# KiCad board rabbit_mask_capacitors.kicad_pcb (continued)
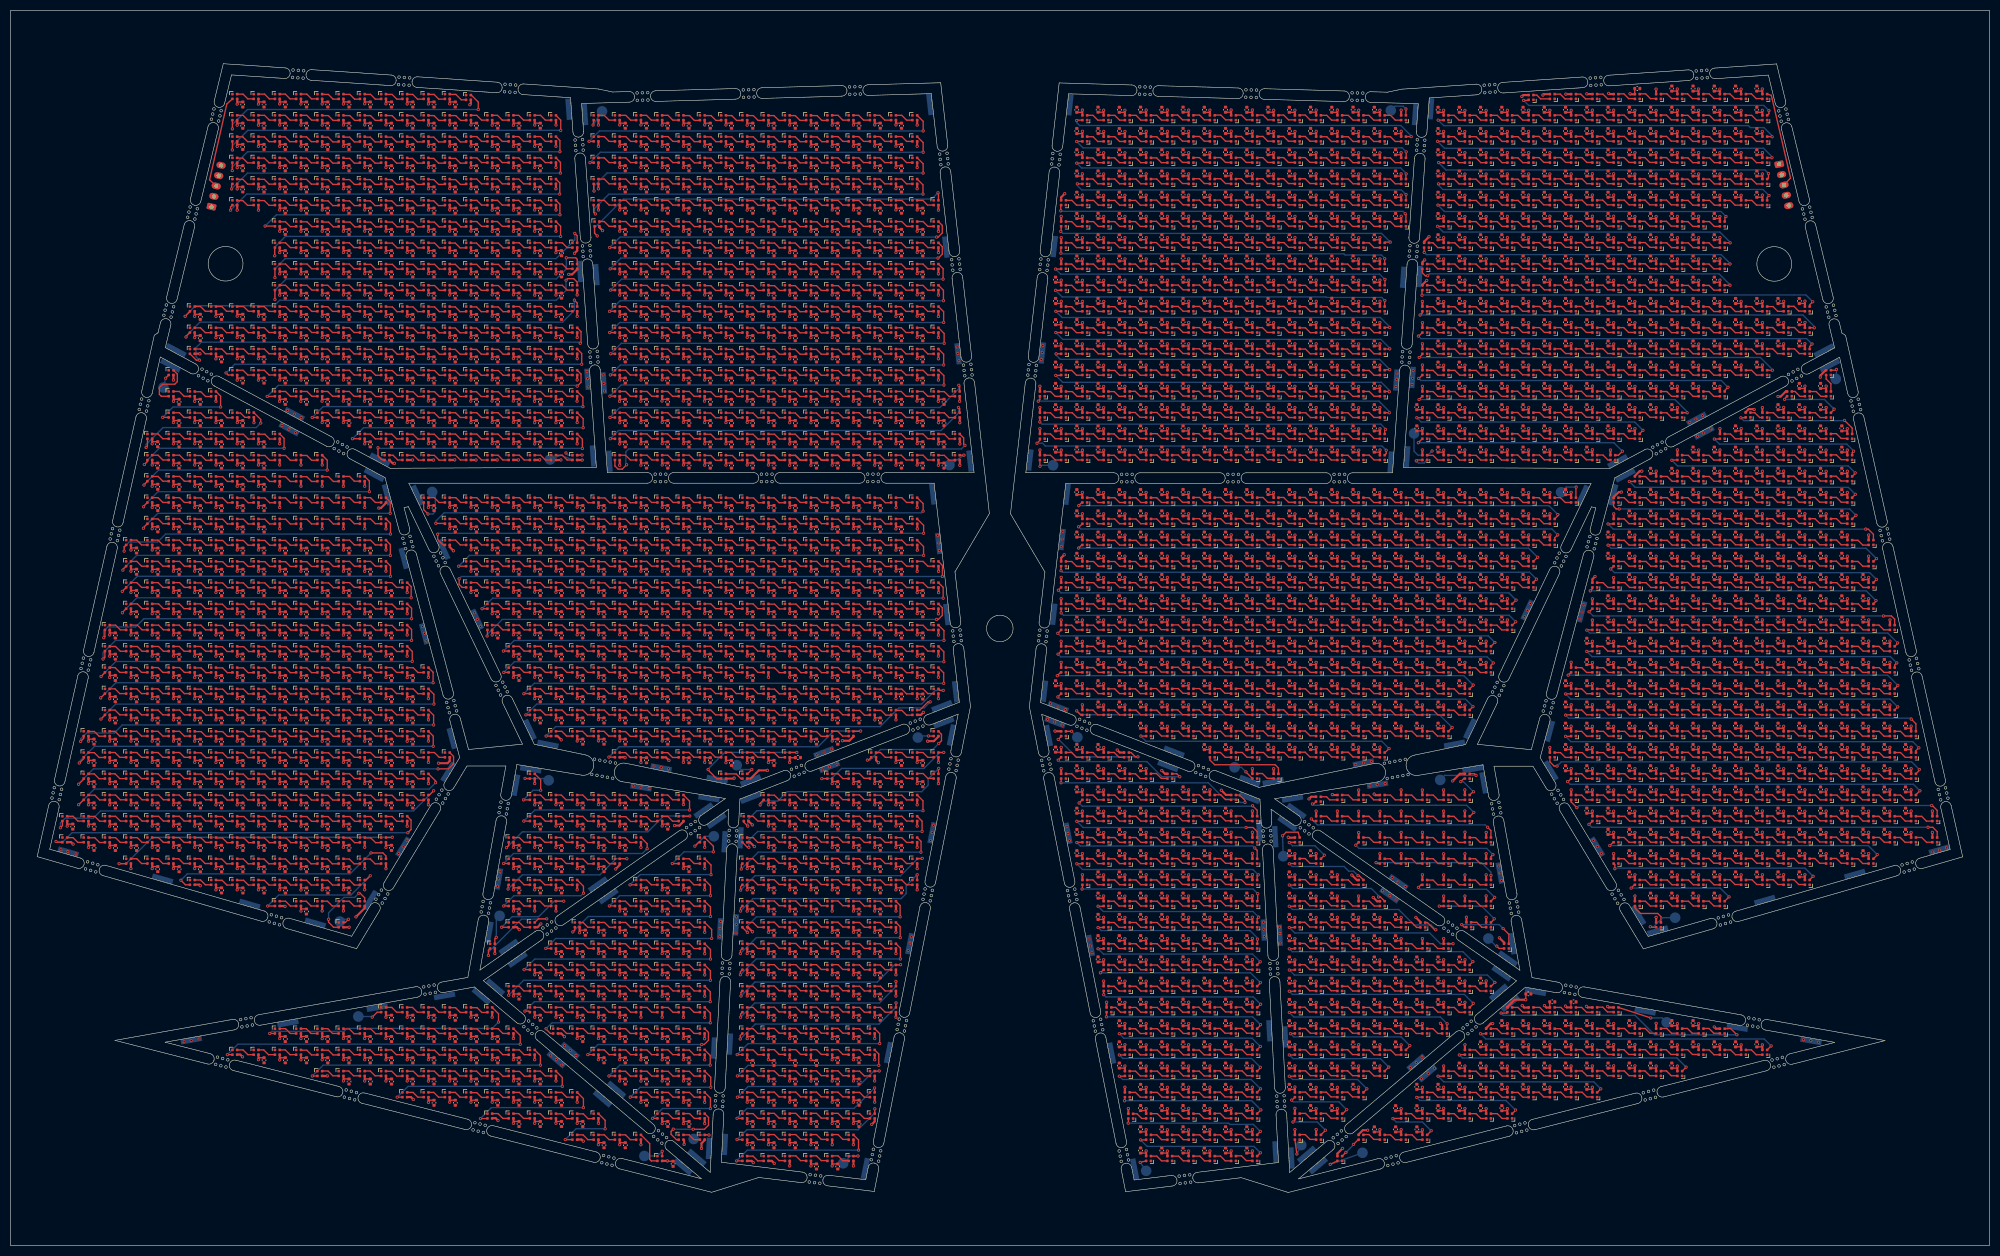
[diagram p0: board, top side]
C1485#1625.1 C1485#1626.1 C1485#1627.1 C1485#1628.1 C1485#1629.1 C1485#1630.1 C1485#1631.1 C1485#1632.1 C1485#1633.1 C1485#1634.1 C1485#1635.1 C1485#1636.1 C1485#1637.1 C1485#1638.1 C1485#1639.1 C1485#1640.1 C1485#1641.1 C1485#1642.1 C1485#1643.1 C1485#1644.1 C1485#1645.1 C1485#1646.1 C1485#1647.1 C1485#1648.1 C1485#1649.1 C1485#1650.1 C1485#1651.1 C1485#1652.1 C1485#1653.1 C1485#1654.1 C1485#1655.1 C1485#1656.1 C1485#1657.1 C1485#1658.1 C1485#1659.1 C1485#1660.1 C1485#1661.1 C1485#1662.1 C1485#1663.1 C1485#1664.1 C1485#1665.1 C1485#1666.1 C1485#1667.1 C1485#1668.1 C1485#1669.1 C1485#1670.1 C1485#1671.1 C1485#1672.1 C1485#1673.1 C1485#1674.1 C1485#1675.1 C1485#1676.1 C1485#1677.1 C1485#1678.1 C1485#1679.1 C1485#1680.1 C1485#1681.1 C1485#1682.1 C1485#1683.1 C1485#1684.1 C1485#1685.1 C1485#1686.1 C1485#1687.1 C1485#1688.1 C1485#1689.1 C1485#1690.1 C1485#1691.1 C1485#1692.1 C1485#1693.1 C1485#1694.1 C1485#1695.1 C1485#1696.1 C1485#1697.1 C1485#1698.1 C1485#1699.1 C1485#1700.1 C1485#1701.1 C1485#1702.1 C1485#1703.1 C1485#1704.1 C1485#1705.1 C1485#1706.1 C1485#1707.1 C1485#1708.1 C1485#1709.1 C1485#1710.1 C1485#1711.1 C1485#1712.1 C1485#1713.1 C1485#1714.1 C1485#1715.1 C1485#1716.1 C1485#1717.1 C1485#1718.1 C1485#1719.1 C1485#1720.1 C1485#1721.1 C1485#1722.1 C1485#1723.1 C1485#1724.1 C1485#1725.1 C1485#1726.1 C1485#1727.1 C1485#1728.1 C1485#1729.1 C1485#1730.1 C1485#1731.1 C1485#1732.1 C1485#1733.1 C1485#1734.1 C1485#1735.1 C1485#1736.1 C1485#1737.1 C1485#1738.1 C1485#1739.1 C1485#1740.1 C1485#1741.1 C1485#1742.1 C1485#1743.1 C1485#1744.1 C1485#1745.1 C1485#1746.1 C1485#1747.1 C1485#1748.1 C1485#1749.1 C1485#1750.1 C1485#1751.1 C1485#1752.1 C1485#1753.1 C1485#1754.1 C1485#1755.1 C1485#1756.1 C1485#1757.1 C1485#1758.1 C1485#1759.1 C1485#1760.1 C1485#1761.1 C1485#1762.1 C1485#1763.1 C1485#1764.1 C1485#1765.1 C1485#1766.1 C1485#1767.1 C1485#1768.1 C1485#1769.1 C1485#1770.1 C1485#1771.1 C1485#1772.1 C1485#1773.1 C1485#1774.1 C1485#1775.1 C1485#1776.1 C1485#1777.1 C1485#1778.1 C1485#1779.1 C1485#1780.1 C1485#1781.1 C1485#1782.1 C1485#1783.1 C1485#1784.1 C1485#1785.1 C1485#1786.1 C1485#1787.1 C1485#1788.1 C1485#1789.1 C1485#1790.1 C1485#1791.1 C1485#1792.1 C1485#1793.1 C1485#1794.1 C1485#1795.1 C1485#1796.1 C1485#1797.1 C1485#1798.1 C1485#1799.1 C1485#1800.1 C1485#1801.1 C1485#1802.1 C1485#1803.1 C1485#1804.1 C1485#1805.1 C1485#1806.1 C1485#1807.1 C1485#1808.1 C1485#1809.1 C1485#1810.1 C1485#1811.1 C1485#1812.1 C1485#1813.1 C1485#1814.1 C1485#1815.1 C1485#1816.1 C1485#1817.1 C1485#1818.1 C1485#1819.1 C1485#1820.1 C1485#1821.1 C1485#1822.1 C1485#1823.1 C1485#1824.1 C1485#1825.1 C1485#1826.1 C1485#1827.1 C1485#1828.1 C1485#1829.1 C1485#1830.1 C1485#1831.1 C1485#1832.1 C1485#1833.1 C1485#1834.1 C1485#1835.1 C1485#1836.1 C1485#1837.1 C1485#1838.1 C1485#1839.1 C1485#1840.1 C1485#1841.1 C1485#1842.1 C1485#1843.1 C1485#1844.1 C1485#1845.1 C1485#1846.1 C1485#1847.1 C1485#1848.1 C1485#1849.1 C1485#1850.1 C1485#1851.1 C1485#1852.1 C1485#1853.1 C1485#1854.1 C1485#1855.1 C1485#1856.1 C1485#1857.1 C1485#1858.1 C1485#1859.1 C1485#1860.1 C1485#1861.1 C1485#1862.1 C1485#1863.1 C1485#1864.1 C1485#1865.1 C1485#1866.1 C1485#1867.1 C1485#1868.1 C1485#1869.1 C1485#1870.1 C1485#1871.1 C1485#1872.1 C1485#1873.1 C1485#1874.1 C1485#1875.1 C1485#1876.1 C1485#1877.1 C1485#1878.1 C1485#1879.1 C1485#1880.1 C1485#1881.1 C1485#1882.1 C1485#1883.1 C1485#1884.1 C1485#1885.1 C1485#1886.1 C1485#1887.1 C1485#1888.1 C1485#1889.1 C1485#1890.1 C1485#1891.1 C1485#1892.1 C1485#1893.1 C1485#1894.1 C1485#1895.1 C1485#1896.1 C1485#1897.1 C1485#1898.1 C1485#1899.1 C1485#1900.1 C1485#1901.1 C1485#1902.1 C1485#1903.1 C1485#1904.1 C1485#1905.1 C1485#1906.1 C1485#1907.1 C1485#1908.1 C1485#1909.1 C1485#1910.1 C1485#1911.1 C1485#1912.1 C1485#1913.1 C1485#1914.1 C1485#1915.1 C1485#1916.1 C1485#1917.1 C1485#1918.1 C1485#1919.1 C1485#1920.1 C1485#1921.1 C1485#1922.1 C1485#1923.1 C1485#1924.1 C1485#1925.1 C1485#1926.1 C1485#1927.1 C1485#1928.1 C1485#1929.1 C1485#1930.1 C1485#1931.1 C1485#1932.1 C1485#1933.1 C1485#1934.1 C1485#1935.1 C1485#1936.1 C1485#1937.1 C1485#1938.1 C1485#1939.1 C1485#1940.1 C1485#1941.1 C1485#1942.1 C1485#1943.1 C1485#1944.1 C1485#1945.1 C1485#1946.1 C1485#1947.1 C1485#1948.1 C1485#1949.1 C1485#1950.1 C1485#1951.1 C1485#1952.1 C1485#1953.1 C1485#1954.1 C1485#1955.1 C1485#1956.1 C1485#1957.1 C1485#1958.1 C1485#1959.1 C1485#1960.1 C1485#1961.1 C1485#1962.1 C1485#1963.1 C1485#1964.1 C1485#1965.1 C1485#1966.1 C1485#1967.1 C1485#1968.1 C1485#1969.1 C1485#1970.1 C1485#1971.1 C1485#1972.1 C1485#1973.1 C1485#1974.1 C1485#1975.1 C1485#1976.1 C1485#1977.1 C1485#1978.1 C1485#1979.1 C1485#1980.1 C1485#1981.1 C1485#1982.1 C1485#1983.1 C1485#1984.1 C1485#1985.1 C1485#1986.1 C1485#1987.1 C1485#1988.1 C1485#1989.1 C1485#1990.1 C1485#1991.1 C1485#1992.1 C1485#1993.1 C1485#1994.1 C1485#1995.1 C1485#1996.1 C1485#1997.1 C1485#1998.1 C1485#1999.1 C1485#2000.1 C1485#2001.1 C1485#2002.1 C1485#2003.1 C1485#2004.1 C1485#2005.1 C1485#2006.1 C1485#2007.1 C1485#2008.1 C1485#2009.1 C1485#2010.1 C1485#2011.1 C1485#2012.1 C1485#2013.1 C1485#2014.1 C1485#2015.1 C1485#2016.1 C1485#2017.1 C1485#2018.1 C1485#2019.1 C1485#2020.1 C1485#2021.1 C1485#2022.1 C1485#2023.1 C1485#2024.1 C1485#2025.1 C1485#2026.1 C1485#2027.1 C1485#2028.1 C1485#2029.1 C1485#2030.1 C1485#2031.1 C1485#2032.1 C1485#2033.1 C1485#2034.1 C1485#2035.1 C1485#2036.1 C1485#2037.1 C1485#2038.1 C1485#2039.1 C1485#2040.1 C1485#2041.1 C1485#2042.1 C1485#2043.1 C1485#2044.1 C1485#2045.1 C1485#2046.1 C1485#2047.1 C1485#2048.1 C1485#2049.1 C1485#2050.1 C1485#2051.1 C1485#2052.1 C1485#2053.1 C1485#2054.1 C1485#2055.1 C1485#2056.1 C1485#2057.1 C1485#2058.1 C1485#2059.1 C1485#2060.1 C1485#2061.1 C1485#2062.1 C1485#2063.1 C1485#2064.1 C1485#2065.1 C1485#2066.1 C1485#2067.1 C1485#2068.1 C1485#2069.1 C1485#2070.1 C1485#2071.1 C1485#2072.1 C1485#2073.1 C1485#2074.1 C1485#2075.1 C1485#2076.1 C1485#2077.1 C1485#2078.1 C1485#2079.1 C1485#2080.1 C1485#2081.1 C1485#2082.1 C1485#2083.1 C1485#2084.1 C1485#2085.1 C1485#2086.1 C1485#2087.1 C1485#2088.1 C1485#2089.1 C1485#2090.1 C1485#2091.1 C1485#2092.1 C1485#2093.1 C1485#2094.1 C1485#2095.1 C1485#2096.1 C1485#2097.1 C1485#2098.1 C1485#2099.1 C1485#2100.1 C1485#2101.1 C1485#2102.1 C1485#2103.1 C1485#2104.1 C1485#2105.1 C1485#2106.1 C1485#2107.1 C1485#2108.1 C1485#2109.1 C1485#2110.1 C1485#2111.1 C1485#2112.1 C1485#2113.1 C1485#2114.1 C1485#2115.1 C1485#2116.1 C1485#2117.1 C1485#2118.1 C1485#2119.1 C1485#2120.1 C1485#2121.1 C1485#2122.1 C1485#2123.1 C1485#2124.1 C1485#2125.1 C1485#2126.1 C1485#2127.1 C1485#2128.1 C1485#2129.1 C1485#2130.1 C1485#2131.1 C1485#2132.1 C1485#2133.1 C1485#2134.1 C1485#2135.1 C1485#2136.1 C1485#2137.1 C1485#2138.1 C1485#2139.1 C1485#2140.1 C1485#2141.1 C1485#2142.1 C1485#2143.1 C1485#2144.1 C1485#2145.1 C1485#2146.1 C1485#2147.1 C1485#2148.1 C1485#2149.1 C1485#2150.1 C1485#2151.1 C1485#2152.1 C1485#2153.1 C1485#2154.1 C1485#2155.1 C1485#2156.1 C1485#2157.1 C1485#2158.1 C1485#2159.1 C1485#2160.1 C1485#2161.1 C1485#2162.1 C1485#2163.1 C1485#2164.1 C1485#2165.1 C1485#2166.1 C1485#2167.1 C1485#2168.1 C1485#2169.1 C1485#2170.1 C1485#2171.1 C1485#2172.1 C1485#2173.1 C1485#2174.1 C1485#2175.1 C1485#2176.1 C1485#2177.1 C1485#2178.1 C1485#2179.1 C1485#2180.1 C1485#2181.1 C1485#2182.1 C1485#2183.1 C1485#2184.1 C1485#2185.1 C1485#2186.1 C1485#2187.1 C1485#2188.1 C1485#2189.1 C1485#2190.1 C1485#2191.1 C1485#2192.1 C1485#2193.1 C1485#2194.1 C1485#2195.1 C1485#2196.1 C1485#2197.1 C1485#2198.1 C1485#2199.1 C1485#2200.1 C1485#2201.1 C1485#2202.1 C1485#2203.1 C1485#2204.1 C1485#2205.1 C1485#2206.1 C1485#2207.1 C1485#2208.1 C1485#2209.1 C1485#2210.1 C1485#2211.1 C1485#2212.1 C1485#2213.1 C1485#2214.1 C1485#2215.1 C1485#2216.1 C1485#2217.1 C1485#2218.1 C1485#2219.1 C1485#2220.1 C1485#2221.1 C1485#2222.1 C1485#2223.1 C1485#2224.1 C1485#2225.1 C1485#2226.1 C1485#2227.1 C1485#2228.1 C1485#2229.1 C1485#2230.1 C1485#2231.1 C1485#2232.1 C1485#2233.1 C1485#2234.1 C1485#2235.1 C1485#2236.1 C1485#2237.1 C1485#2238.1 C1485#2239.1 C1485#2240.1 C1485#2241.1 C1485#2242.1 C1485#2243.1 C1485#2244.1 C1485#2245.1 C1485#2246.1 C1485#2247.1 C1485#2248.1 C1485#2249.1 C1485#2250.1 C1485#2251.1 C1485#2252.1 C1485#2253.1 C1485#2254.1 C1485#2255.1 C1485#2256.1 C1485#2257.1 C1485#2258.1 C1485#2259.1 C1485#2260.1 C1485#2261.1 C1485#2262.1 C1485#2263.1 C1485#2264.1 C1485#2265.1 C1485#2266.1 C1485#2267.1 C1485#2268.1 C1485#2269.1 C1485#2270.1 C1485#2271.1 C1485#2272.1 C1485#2273.1 C1485#2274.1 C1485#2275.1 C1485#2276.1 C1485#2277.1 C1485#2278.1 C1485#2279.1 C1485#2280.1 C1485#2281.1 C1485#2282.1 C1485#2283.1 C1485#2284.1 C1485#2285.1 C1485#2286.1 C1485#2287.1 C1485#2288.1 C1485#2289.1 C1485#2290.1 C1485#2291.1 C1485#2292.1 C1485#2293.1 C1485#2294.1 C1485#2295.1 C1485#2296.1 C1485#2297.1 C1485#2298.1 C1485#2299.1 C1485#2300.1 C1485#2301.1 C1485#2302.1 C1485#2303.1 C1485#2304.1 C1485#2305.1 C1485#2306.1 C1485#2307.1 C1485#2308.1 C1485#2309.1 C1485#2310.1 C1485#2311.1 C1485#2312.1 C1485#2313.1 C1485#2314.1 C1485#2315.1 C1485#2316.1 C1485#2317.1 C1485#2318.1 C1485#2319.1 C1485#2320.1 C1485#2321.1 C1485#2322.1 C1485#2323.1 C1485#2324.1 C1485#2325.1 C1485#2326.1 C1485#2327.1 C1485#2328.1 C1485#2329.1 C1485#2330.1 C1485#2331.1 C1485#2332.1 C1485#2333.1 C1485#2334.1 C1485#2335.1 C1485#2336.1 C1485#2337.1 C1485#2338.1 C1485#2339.1 C1485#2340.1 C1485#2341.1 C1485#2342.1 C1485#2343.1 C1485#2344.1 C1485#2345.1 C1485#2346.1 C1485#2347.1 C1485#2348.1 C1485#2349.1 C1485#2350.1 C1485#2351.1 C1485#2352.1 C1485#2353.1 C1485#2354.1 C1485#2355.1 C1485#2356.1 C1485#2357.1 C1485#2358.1 C1485#2359.1 C1485#2360.1 C1485#2361.1 C1485#2362.1 C1485#2363.1 C1485#2364.1 C1485#2365.1 C1485#2366.1 C1485#2367.1 C1485#2368.1 C1485#2369.1 C1485#2370.1 C1485#2371.1 C1485#2372.1 C1485#2373.1 C1485#2374.1 C1485#2375.1 C1485#2376.1 C1485#2377.1 C1485#2378.1 C1485#2379.1 C1485#2380.1 C1485#2381.1 C1485#2382.1 C1485#2383.1 C1485#2384.1 C1485#2385.1 C1485#2386.1 C1485#2387.1 C1485#2388.1 C1485#2389.1 C1485#2390.1 C1485#2391.1 C1485#2392.1 C1485#2393.1 C1485#2394.1 C1485#2395.1 C1485#2396.1 C1485#2397.1 C1485#2398.1 C1485#2399.1 C1485#2400.1 C1485#2401.1 C1485#2402.1 C1485#2403.1 C1485#2404.1 C1485#2405.1 C1485#2406.1 C1485#2407.1 C1485#2408.1 C1485#2409.1 C1485#2410.1 C1485#2411.1 C1485#2412.1 C1485#2413.1 C1485#2414.1 C1485#2415.1 C1485#2416.1 C1485#2417.1 C1485#2418.1 C1485#2419.1 C1485#2420.1 C1485#2421.1 C1485#2422.1 C1485#2423.1 C1485#2424.1 C1485#2425.1 C1485#2426.1 C1485#2427.1 C1485#2428.1 C1485#2429.1 C1485#2430.1 C1485#2431.1 C1485#2432.1 C1485#2433.1 C1485#2434.1 C1485#2435.1 C1485#2436.1 C1485#2437.1 C1485#2438.1 C1485#2439.1 C1485#2440.1 C1485#2441.1 C1485#2442.1 C1485#2443.1 C1485#2444.1 C1485#2445.1 C1485#2446.1 C1485#2447.1 C1485#2448.1 C1485#2449.1 C1485#2450.1 C1485#2451.1 C1485#2452.1 C1485#2453.1 C1485#2454.1 C1485#2455.1 C1485#2456.1 C1485#2457.1 C1485#2458.1 C1485#2459.1 C1485#2460.1 C1485#2461.1 C1485#2462.1 C1485#2463.1 C1485#2464.1 C1485#2465.1 C1485#2466.1 C1485#2467.1 C1485#2468.1 C1485#2469.1 C1485#2470.1 C1485#2471.1 C1485#2472.1 C1485#2473.1 C1485#2474.1 C1485#2475.1 C1485#2476.1 C1485#2477.1 C1485#2478.1 C1485#2479.1 C1485#2480.1 C1485#2481.1 C1485#2482.1 C1485#2483.1 C1485#2484.1 C1485#2485.1 C1485#2486.1 C1485#2487.1 C1485#2488.1 C1485#2489.1 C1485#2490.1 C1485#2491.1 C1485#2492.1 C1485#2493.1 C1485#2494.1 C1485#2495.1 C1485#2496.1 C1485#2497.1 C1485#2498.1 C1485#2499.1 C1485#2500.1 C1485#2501.1 C1485#2502.1 C1485#2503.1 C1485#2504.1 C1485#2505.1 C1485#2506.1 C1485#2507.1 C1485#2508.1 C1485#2509.1 C1485#2510.1 C1485#2511.1 C1485#2512.1 C1485#2513.1 C1485#2514.1 C1485#2515.1 C1485#2516.1 C1485#2517.1 C1485#2518.1 C1485#2519.1 C1485#2520.1 C1485#2521.1 C1485#2522.1 C1485#2523.1 C1485#2524.1 C1485#2525.1 C1485#2526.1 C1485#2527.1 C1485#2528.1 C1485#2529.1 C1485#2530.1 C1485#2531.1 C1485#2532.1 C1485#2533.1 C1485#2534.1 C1485#2535.1 C1485#2536.1 C1485#2537.1 C1485#2538.1 C1485#2539.1 C1485#2540.1 C1485#2541.1 C1485#2542.1 C1485#2543.1 C1485#2544.1 C1485#2545.1 C1485#2546.1 C1485#2547.1 C1485#2548.1 C1485#2549.1 C1485#2550.1 C1485#2551.1 C1485#2552.1 C1485#2553.1 C1485#2554.1 C1485#2555.1 C1485#2556.1 C1485#2557.1 C1485#2558.1 C1485#2559.1 C1485#2560.1 C1485#2561.1 C1485#2562.1 C1485#2563.1 C1485#2564.1 C1485#2565.1 C1485#2566.1 C1485#2567.1 C1485#2568.1 C1485#2569.1 C1485#2570.1 C1485#2571.1 C1485#2572.1 C1485#2573.1 C1485#2574.1 C1485#2575.1 C1485#2576.1 C1485#2577.1 C1485#2578.1 C1485#2579.1 C1485#2580.1 C1485#2581.1 C1485#2582.1 C1485#2583.1 C1485#2584.1 C1485#2585.1 C1485#2586.1 C1485#2587.1 C1485#2588.1 C1485#2589.1 C1485#2590.1 C1485#2591.1 C1485#2592.1 C1485#2593.1 C1485#2594.1 C1485#2595.1 C1485#2596.1 C1485#2597.1 C1485#2598.1 C1485#2599.1 C1485#2600.1 C1485#2601.1 C1485#2602.1 C1485#2603.1 C1485#2604.1 C1485#2605.1 C1485#2606.1 C1485#2607.1 C1485#2608.1 C1485#2609.1 C1485#2610.1 C1485#2611.1 C1485#2612.1 C1485#2613.1 C1485#2614.1 C1485#2615.1 C1485#2616.1 C1485#2617.1 C1485#2618.1 C1485#2619.1 C1485#2620.1 C1485#2621.1 C1485#2622.1 C1485#2623.1 C1485#2624.1 C1485#2625.1 C1485#2626.1 D1.2 D2.2 D3.2 D4.2 D5.2 D6.2 D7.2 D8.2 D9.2 D10.2 D11.2 D12.2 D13.2 D14.2 D15.2 D16.2 D17.2 D18.2 D19.2 D20.2 D21.2 D22.2 D23.2 D24.2 D25.2 D26.2 D27.2 D28.2 D29.2 D30.2 D31.2 D32.2 D33.2 D34.2 D35.2 D36.2 D37.2 D38.2 D39.2 D40.2 D41.2 D42.2 D43.2 D44.2 D45.2 D46.2 D47.2 D48.2 D49.2 D50.2 D51.2 D52.2 D53.2 D54.2 D55.2 D56.2 D57.2 D58.2 D59.2 D60.2 D61.2 D62.2 D63.2 D64.2 D65.2 D66.2 D67.2 D68.2 D69.2 D70.2 D71.2 D72.2 D73.2 D74.2 D75.2 D76.2 D77.2 D78.2 D79.2 D80.2 D81.2 D82.2 D83.2 D84.2 D85.2 D86.2 D87.2 D88.2 D89.2 D90.2 D91.2 D92.2 D93.2 D94.2 D95.2 D96.2 D97.2 D98.2 D99.2 D100.2 D101.2 D102.2 D103.2 D104.2 D105.2 D106.2 D107.2 D108.2 D110.2 D111.2 D112.2 D113.2 D114.2 D115.2 D116.2 D117.2 D118.2 D119.2 D120.2 D121.2 D122.2 D123.2 D124.2 D125.2 D126.2 D127.2 D128.2 D129.2 D130.2 D131.2 D132.2 D133.2 D134.2 D135.2 D136.2 D137.2 D138.2 D139.2 D140.2 D141.2 D143.2 D144.2 D145.2 D146.2 D147.2 D148.2 D149.2 D150.2 D151.2 D152.2 D153.2 D154.2 D155.2 D156.2 D157.2 D158.2 D159.2 D160.2 D161.2 D162.2 D163.2 D164.2 D165.2 D166.2 D167.2 D168.2 D169.2 D170.2 D171.2 D172.2 D173.2 D174.2 D175.2 D179.2 D180.2 D181.2 D182.2 D183.2 D184.2 D185.2 D186.2 D187.2 D188.2 D189.2 D190.2 D191.2 D192.2 D193.2 D194.2 D195.2 D196.2 D197.2 D198.2 D199.2 D200.2 D201.2 D202.2 D203.2 D204.2 D205.2 D206.2 D207.2 D208.2 D209.2 D210.2 D211.2 D212.2 D213.2 D214.2 D215.2 D216.2 D217.2 D218.2 D219.2 D220.2 D221.2 D222.2 D223.2 D224.2 D225.2 D226.2 D227.2 D228.2 D229.2 D230.2 D231.2 D232.2 D233.2 D234.2 D235.2 D236.2 D237.2 D238.2 D239.2 D240.2 D241.2 D242.2 D243.2 D244.2 D245.2 D246.2 D247.2 D248.2 D249.2 D250.2 D251.2 D252.2 D253.2 D254.2 D255.2 D256.2 D257.2 D258.2 D259.2 D260.2 D261.2 D262.2 D263.2 D264.2 D265.2 D266.2 D267.2 D268.2 D269.2 D270.2 D271.2 D272.2 D273.2 D274.2 D275.2 D276.2 D277.2 D278.2 D279.2 D280.2 D281.2 D282.2 D283.2 D284.2 D285.2 D286.2 D287.2 D288.2 D289.2 D290.2 D291.2 D292.2 D293.2 D294.2 D295.2 D296.2 D297.2 D298.2 D299.2 D300.2 D301.2 D302.2 D303.2 D304.2 D305.2 D306.2 D307.2 D308.2 D309.2 D310.2 D311.2 D312.2 D313.2 D314.2 D315.2 D316.2 D317.2 D318.2 D319.2 D320.2 D321.2 D322.2 D323.2 D324.2 D325.2 D326.2 D327.2 D328.2 D329.2 D330.2 D331.2 D332.2 D333.2 D334.2 D335.2 D336.2 D337.2 D338.2 D339.2 D340.2 D341.2 D342.2 D343.2 D344.2 D345.2 D346.2 D347.2 D348.2 D349.2 D350.2 D351.2 D352.2 D353.2 D354.2 D355.2 D356.2 D357.2 D358.2 D359.2 D360.2 D361.2 D362.2 D363.2 D364.2 D365.2 D366.2 D367.2 D368.2 D369.2 D370.2 D371.2 D372.2 D373.2 D374.2 D375.2 D376.2 D377.2 D378.2 D379.2 D380.2 D381.2 D382.2 D383.2 D384.2 D385.2 D386.2 D387.2 D388.2 D389.2 D390.2 D391.2 D392.2 D393.2 D394.2 D395.2 D396.2 D397.2 D398.2 D399.2 D400.2 D401.2 D402.2 D403.2 D404.2 D405.2 D406.2 D407.2 D408.2 D409.2 D410.2 D411.2 D412.2 D413.2 D414.2 D415.2 D416.2 D417.2 D418.2 D419.2 D420.2 D421.2 D422.2 D423.2 D424.2 D425.2 D426.2 D427.2 D428.2 D429.2 D430.2 D431.2 D432.2 D433.2 D434.2 D435.2 D436.2 D437.2 D438.2 D439.2 D440.2 D441.2 D442.2 D443.2 D444.2 D445.2 D446.2 D447.2 D448.2 D449.2 D450.2 D451.2 D452.2 D453.2 D454.2 D455.2 D456.2 D457.2 D458.2 D459.2 D460.2 D461.2 D462.2 D463.2 D464.2 D465.2 D466.2 D467.2 D468.2 D469.2 D470.2 D471.2 D472.2 D473.2 D474.2 D475.2 D476.2 D477.2 D478.2 D479.2 D480.2 D481.2 D482.2 D483.2 D484.2 D485.2 D486.2 D487.2 D488.2 D489.2 D490.2 D491.2 D492.2 D493.2 D494.2 D495.2 D496.2 D497.2 D498.2 D499.2 D500.2 D501.2 D502.2 D503.2 D504.2 D505.2 D506.2 D507.2 D508.2 D509.2 D510.2 D511.2 D512.2 D513.2 D514.2 D515.2 D516.2 D517.2 D518.2 D519.2 D520.2 D521.2 D522.2 D523.2 D524.2 D525.2 D526.2 D527.2 D528.2 D529.2 D530.2 D531.2 D532.2 D533.2 D534.2 D535.2 D536.2 D537.2 D538.2 D539.2 D540.2 D541.2 D542.2 D543.2 D544.2 D545.2 D546.2 D547.2 D548.2 D549.2 D550.2 D551.2 D552.2 D553.2 D554.2 D555.2 D556.2 D557.2 D558.2 D559.2 D560.2 D561.2 D562.2 D563.2 D564.2 D565.2 D566.2 D567.2 D568.2 D569.2 D570.2 D571.2 D572.2 D573.2 D574.2 D575.2 D576.2 D577.2 D578.2 D579.2 D580.2 D581.2 D582.2 D583.2 D584.2 D585.2 D586.2 D587.2 D588.2 D589.2 D590.2 D591.2 D592.2 D593.2 D594.2 D595.2 D596.2 D597.2 D598.2 D599.2 D600.2 D601.2 D602.2 D603.2 D604.2 D605.2 D606.2 D607.2 D608.2 D609.2 D610.2 D611.2 D612.2 D613.2 D614.2 D615.2 D616.2 D617.2 D618.2 D619.2 D620.2 D621.2 D622.2 D623.2 D624.2 D625.2 D626.2 D627.2 D628.2 D629.2 D630.2 D631.2 D632.2 D633.2 D634.2 D635.2 D636.2 D637.2 D638.2 D639.2 D640.2 D641.2 D642.2 D643.2 D644.2 D645.2 D646.2 D647.2 D648.2 D649.2 D650.2 D651.2 D652.2 D653.2 D654.2 D655.2 D656.2 D657.2 D658.2 D659.2 D660.2 D661.2 D662.2 D663.2 D664.2 D665.2 D666.2 D667.2 D668.2 D669.2 D670.2 D671.2 D672.2 D673.2 D674.2 D675.2 D676.2 D677.2 D678.2 D679.2 D680.2 D681.2 D682.2 D683.2 D684.2 D685.2 D686.2 D687.2 D688.2 D689.2 D690.2 D691.2 D692.2 D693.2 D694.2 D695.2 D696.2 D697.2 D698.2 D699.2 D700.2 D701.2 D702.2 D703.2 D704.2 D705.2 D706.2 D707.2 D708.2 D709.2 D710.2 D711.2 D712.2 D713.2 D714.2 D715.2 D716.2 D717.2 D718.2 D719.2 D720.2 D721.2 D722.2 D723.2 D724.2 D725.2 D726.2 D727.2 D728.2 D729.2 D730.2 D731.2 D732.2 D733.2 D734.2 D735.2 D736.2 D737.2 D738.2 D739.2 D740.2 D741.2 D742.2 D743.2 D744.2 D745.2 D746.2 D747.2 D748.2 D749.2 D750.2 D751.2 D752.2 D753.2 D754.2 D755.2 D756.2 D757.2 D758.2 D759.2 D760.2 D761.2 D762.2 D763.2 D764.2 D765.2 D766.2 D767.2 D768.2 D769.2 D770.2 D771.2 D772.2 D773.2 D774.2 D775.2 D776.2 D777.2 D778.2 D779.2 D780.2 D781.2 D782.2 D783.2 D784.2 D785.2 D786.2 D787.2 D788.2 D789.2 D790.2 D791.2 D792.2 D793.2 D794.2 D795.2 D796.2 D797.2 D798.2 D799.2 D800.2 D801.2 D802.2 D803.2 D804.2 D805.2 D806.2 D807.2 D808.2 D809.2 D810.2 D811.2 D812.2 D813.2 D814.2 D815.2 D816.2 D817.2 D818.2 D819.2 D820.2 D821.2 D822.2 D823.2 D824.2 D825.2 D826.2 D827.2 D828.2 D829.2 D830.2 D831.2 D832.2 D833.2 D834.2 D835.2 D836.2 D837.2 D838.2 D839.2 D840.2 D841.2 D842.2 D843.2 D844.2 D845.2 D846.2 D847.2 D848.2 D849.2 D850.2 D851.2 D852.2 D853.2 D854.2 D855.2 D856.2 D857.2 D858.2 D859.2 D860.2 D861.2 D862.2 D863.2 D864.2 D865.2 D866.2 D867.2 D868.2 D869.2 D870.2 D871.2 D872.2 D873.2 D874.2 D875.2 D876.2 D877.2 D878.2 D879.2 D880.2 D881.2 D882.2 D883.2 D884.2 D885.2 D886.2 D887.2 D888.2 D889.2 D890.2 D891.2 D892.2 D893.2 D894.2 D895.2 D896.2 D897.2 D898.2 D899.2 D900.2 D901.2 D902.2 D903.2 D904.2 D905.2 D906.2 D907.2 D908.2 D909.2 D910.2 D911.2 D912.2 D913.2 D914.2 D915.2 D916.2 D917.2 D918.2 D919.2 D920.2 D921.2 D922.2 D923.2 D924.2 D925.2 D926.2 D927.2 D928.2 D929.2 D930.2 D931.2 D932.2 D933.2 D934.2 D935.2 D936.2 D937.2 D938.2 D939.2 D940.2 D941.2 D942.2 D943.2 D944.2 D945.2 D946.2 D947.2 D948.2 D949.2 D950.2 D951.2 D952.2 D953.2 D954.2 D955.2 D956.2 D957.2 D958.2 D959.2 D960.2 D961.2 D962.2 D963.2 D964.2 D965.2 D966.2 D967.2 D968.2 D969.2 D970.2 D971.2 D972.2 D973.2 D974.2 D975.2 D976.2 D977.2 D978.2 D979.2 D980.2 D981.2 D982.2 D983.2 D984.2 D985.2 D986.2 D987.2 D988.2 D989.2 D990.2 D991.2 D992.2 D993.2 D994.2 D995.2 D996.2 D997.2 D998.2 D999.2 D1000.2 D1001.2 D1002.2 D1003.2 D1004.2 D1005.2 D1006.2 D1007.2 D1008.2 D1009.2 D1010.2 D1011.2 D1012.2 D1013.2 D1014.2 